# Altium PCB PFC_Stage.PcbDoc (part 4 of 5)
Units mil, origin at the board's own origin, x right, y up, seen from the top; angles counter-clockwise.
Board outline 14960.63 x 6299.21 mil, 2 copper layers (Top Layer, Bottom Layer), stack 64.567 mil thick; 586 components, 249 nets, 1375 pads, 1157 vias.
Unrouted connection lines stored in the file: 732.
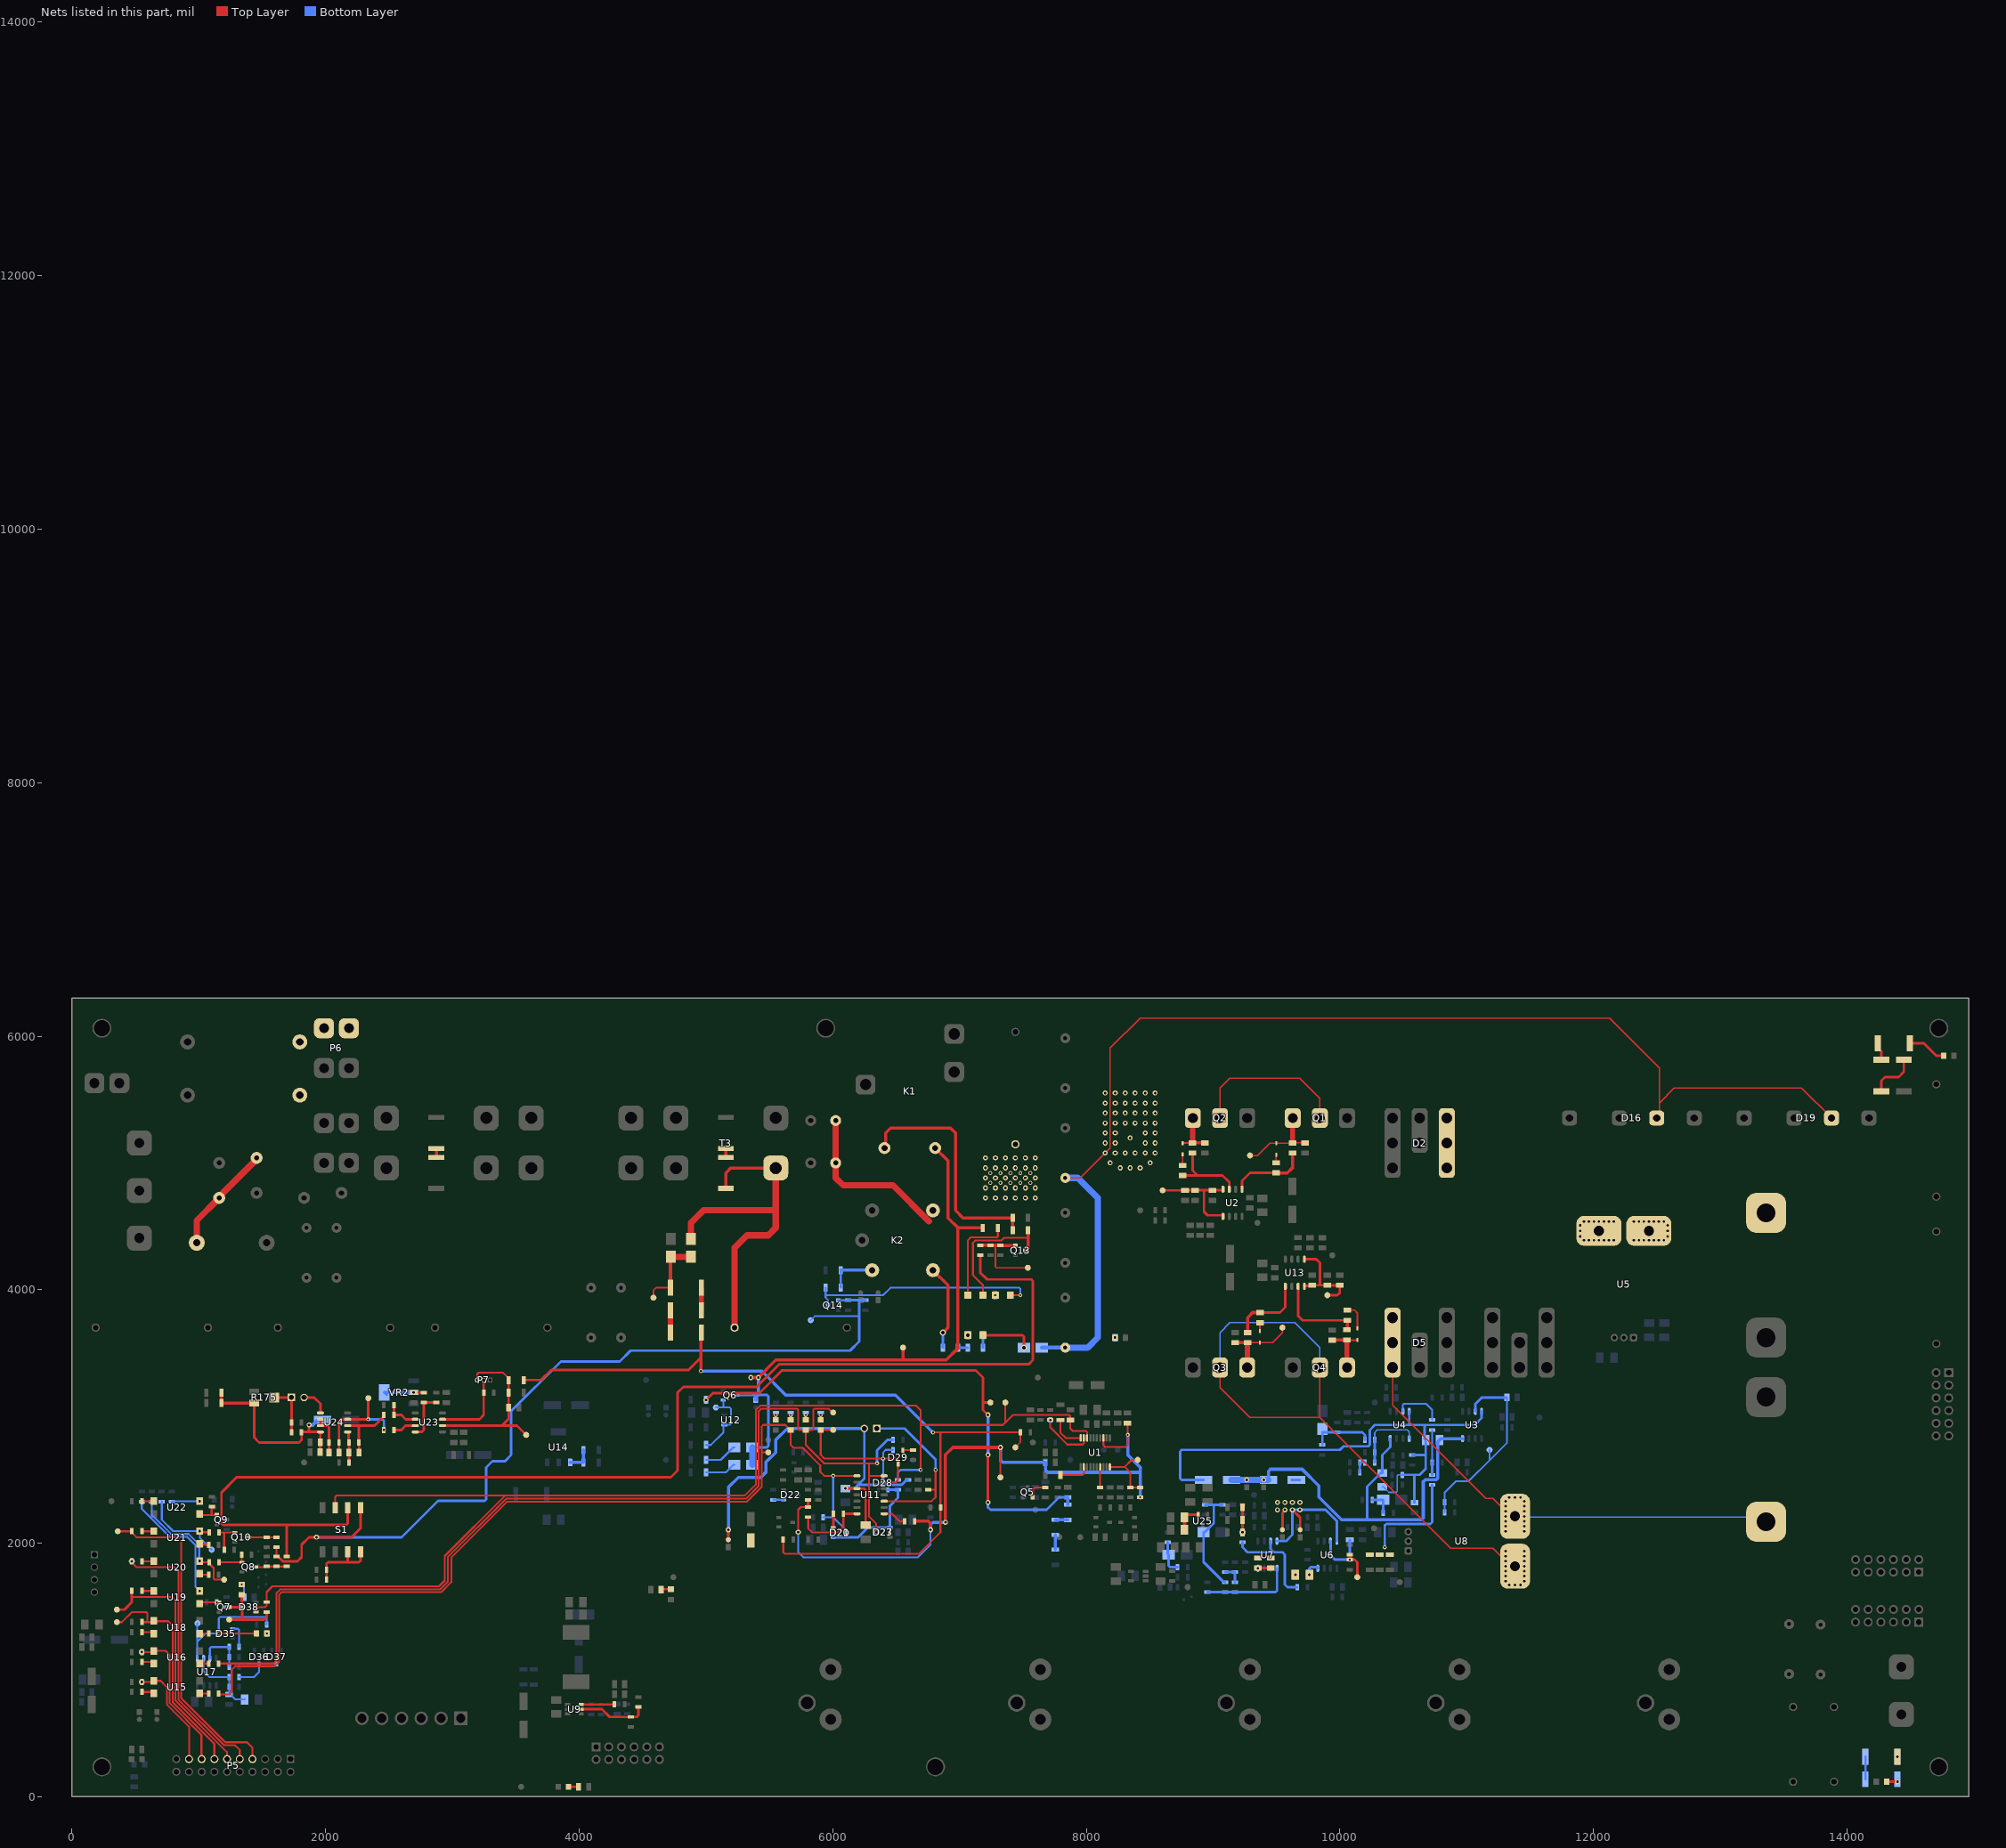
[diagram p4: the nets of this part, all layers, seen from the top]

## Via types
v1: diameter 31.5, hole 15.75, Top Layer to Bottom Layer, tented both sides, 804 vias
v2: diameter 39.37, hole 19.68, Top Layer to Bottom Layer, tented both sides, 282 vias
v3: diameter 50, hole 19.68, Top Layer to Bottom Layer, tented both sides, 68 vias
v4: diameter 50, hole 28, Top Layer to Bottom Layer, tented both sides, 3 vias

## Nets (pads, with @x,y where several pads share a name; then routed paths per layer and width w, separated by ;. In a path a pad name is that pad's centre, name@x,y a point inside that pad or via, vN(x,y) a via of type N, cw(c..) or ccw(c..) an arc to the next point about the centre after c; other vN are vias at no path point) (continued)
NetC103_2: C103.2 C104.1 R194.2 R196.1 U17.2 | length 598.5
  Bottom Layer w15: U17.2@1037.99,1091.54 1037.99,989.57 1082.68,944.88 R194.2@1240.16,944.88 R196.1@1240.16,866.14 C103.2@1240.16,807.72 1250.16,807.72 1290.16,767.72 C104.1@1362.32,767.72
NetC108_1: C108.1 R239.1 VR2.2 | length 339.9
  Top Layer w20: v2(2693.9,3188.98) 2696.22,3188.98 C108.1@2696.85,3189.61 2697.17,3189.29 2775.28,3189.29 R239.1@2775.59,3188.98
  Bottom Layer w20: VR2.2@2463.58,3188.98 VR2.2@2482.95,3169.61
  Bottom Layer w25: VR2.2@2463.58,3188.98 v2(2693.9,3188.98)
NetC110_1: C110.1 R244.1 R248.2 U24.2 | length 539.1
  Top Layer w20: U24.2@2174.21,2927.76 2263.78,2927.76 ; C110.1@2264.41,2716.54 2264.09,2716.85 2264.09,2794.96 R244.1@2263.78,2795.28 2263.78,2927.76 ; R248.2@2460.63,3011.81 2460.63,3000.98 2456.85,2997.2 2387.4,2927.76 2263.78,2927.76
NetC110_2: C110.2 R244.2 R247.1 U24.1 | length 248.1
  Top Layer w20: U24.1@2174.21,2877.76 2179.59,2877.76 2181.26,2876.08 2181.26,2799.06 R244.2@2185.04,2795.28 2184.72,2794.96 2184.72,2716.85 C110.2@2184.41,2716.54 2184.72,2716.22 2184.72,2638.11 R247.1@2185.04,2637.8
NetC113_1: C113.1 HV_SENSE_VIN.1 P7.3 R243.1 R245.2 U23.2 | length 1405.2
  Top Layer w15: P7.3@3198.03,3287.4 3198.03,3337.67 3206.82,3346.46 3399.61,3346.46 3434.67,3311.4 3434.67,3296.63 R243.1@3443.9,3287.4
  Top Layer w20: U23.2@2922.24,2927.76 3391.14,2927.76 ; C113.1@3443.9,3060.87 3443.9,2980.51 3391.14,2927.76 ; C113.1@3443.9,3070.87 R245.2@3443.9,3188.98 R243.1@3443.9,3287.4 ; C113.1@3444.25,3060.87 C113.1@3444.25,3070.87 ; HV_SENSE_VIN.1@3582.68,2854.33 3515.06,2921.95 3509.25,2927.76 3391.14,2927.76
NetC114_1: C114.1 COMP_ADD.1 R246.2 R252.1 U24.3 | length 845
  Top Layer w20: C114.1@2106.93,2716.54 2106.61,2716.85 2106.61,2794.96 R252.1@2106.3,2795.28 2106.3,2952.76 2130.61,2977.06 2173.52,2977.06 U24.3@2174.21,2977.76 v1(2337.2,2977.76) 2337.2,3125.03 2337.31,3125.13 COMP_ADD.1@2337.31,3144.39
  Bottom Layer w20: v1(2337.2,2977.76) 2448.91,2977.76 2460.63,2966.04 v1(2460.63,2893.7)
NetC114_2: C114.2 R252.2 U24.6 U24.7 | length 322.5
  Top Layer w20: U24.6@1959.65,2977.76 U24.7@1959.65,2927.76 2015.84,2927.76 2027.56,2916.04 R252.2@2027.56,2795.28 2027.24,2794.96 2027.24,2716.85 C114.2@2026.93,2716.54
NetCntrl_SD_2: Cntrl_SD.2 R153.2 | length 108.3
  Bottom Layer w15: v1(1338.58,1675.2) 1338.58,1673.28 1357.64,1654.22 R153.2@1357.64,1574.8
NetD2_3: D2.3 L1.2 U5.4 | length 253.1
  Bottom Layer w10: U5.4@12007.87,4385.83 U5.4@12007.87,4527.56 ; L1.2@13307.09,4685.04 L1.2@13385.83,4606.3
  other v3: 11925.59,4389.76 11964.96,4389.76 12004.33,4389.76 12043.7,4389.76 12083.07,4389.76 12122.44,4389.76 12161.81,4389.76 11896.06,4419.29 11896.06,4463.58 11896.06,4507.87 11925.59,4537.4 11964.96,4537.4 12004.33,4537.4 12043.7,4537.4 12083.07,4537.4 12122.44,4537.4 12161.81,4537.4
NetD3_1: D3.1 GA.1 Q1.1 R3.2 R6.2 | length 671.3
  Top Layer w10: GA.1@9291.34,5059.06 9350.39,5059.06 9447.83,5156.49 D3.1@9498.99,5156.49 9624.36,5156.49 R3.2@9625.98,5158.11 R6.2@9724.41,5158.11
  Top Layer w25: R3.2@9625.98,5158.11 R3.2@9627.17,5159.29 ; Q1.1@9627.17,5353.15 Q1.1@9628.35,5354.33
  Top Layer w40: R3.2@9627.17,5159.29 Q1.1@9627.17,5353.15
NetD3_2: D3.2 R1.2 | length 64.7
  Top Layer w10: R1.2@9497.9,5001.65 9498.99,5002.74 D3.2@9498.99,5065.94
NetD4_1: D4.1 Q2.1 R4.2 R5.2 | length 366.6
  Top Layer w12: D4.1@8760.49,5157.31 8837.79,5157.31 R4.2@8838.58,5158.11
  Top Layer w25: R4.2@8838.58,5158.11 R5.2@8937.01,5158.11 ; Q2.1@8838.58,5351.97 Q2.1@8840.94,5354.33
  Top Layer w40: R4.2@8838.58,5165.61 Q2.1@8838.58,5351.97
NetD4_2: D4.2 R2.2 | length 86.1
  Top Layer w12: R2.2@8759.84,4980.94 8760.49,4981.59 D4.2@8760.49,5066.76
NetD5_3: D5.3 L2.2 U8.4 | length 3832.9
  Top Layer w10: D5.3@10415.75,3385.83 10415.75,3088.19 11150.28,2353.66 11205.97,2353.66 11314.96,2244.67 U8.4@11314.96,2240.55
  Bottom Layer w10: D5.3@10415.75,3582.68 D5.3@10415.75,3779.53 ; U8.4@11314.96,2240.55 11350.79,2204.72 11444.88,2204.72 L2.2@13385.83,2204.72
  other v3: 11307.09,2094.49 11454.72,2094.49 11307.09,2133.86 11454.72,2133.86 11307.09,2173.23 11454.72,2173.23 11307.09,2212.6 11454.72,2212.6 11307.09,2251.97 11454.72,2251.97 11307.09,2291.34 11454.72,2291.34 11307.09,2330.71 11454.72,2330.71 11336.61,2360.24 11380.91,2360.24 11425.2,2360.24
NetD6_1: D6.1 GB.1 Q3.1 R12.2 R14.2 | length 643.5
  Top Layer w10: D6.1@9370.05,3583.15 9468.98,3583.15 9547.24,3661.42 GB.1@9547.24,3700.79
  Top Layer w12: R12.2@9269.29,3582.05 9270.39,3583.15 D6.1@9370.05,3583.15
  Top Layer w25: R14.2@9173.23,3582.05 9269.29,3582.05 R12.2@9270.47,3580.87 ; Q3.1@9269.29,3385.83 Q3.1@9270.47,3387.01
  Top Layer w40: Q3.1@9270.47,3387.01 R12.2@9270.47,3580.87
NetD6_2: D6.2 R10.2 | length 65.8
  Top Layer w12: D6.2@9370.05,3673.7 R10.2@9370.05,3739.5
NetD7_1: D7.1 Q4.1 R13.2 R15.2 | length 408.9
  Top Layer w12: R13.2@10057.13,3603.7 10058.08,3602.76 10137.85,3602.76 D7.1@10138.25,3603.16
  Top Layer w25: R15.2@9940.94,3601.73 9941.93,3602.72 10056.15,3602.72 R13.2@10057.13,3603.7
  Top Layer w40: Q4.1@10056.69,3385.83 R13.2@10056.69,3596.1
NetD7_2: D7.2 R11.2 | length 219
  Top Layer w12: R11.2@10059.06,3839.21 10117.48,3839.21 10137.8,3818.9 D7.2@10137.8,3687.01
NetD12_1: D12.1 R47.2 R56.2 | length 188.4
  Bottom Layer w20: R56.2@10255.91,2342.52 D12.1@10342.52,2342.52 10342.6,2342.44 R47.2@10342.6,2240.79
NetD13_1: D13.1 R48.2 R51.2 R55.2 | length 480.6
  Bottom Layer w20: R55.2@9862.2,2775.59 9862.2,2874.02 R48.2@9980.32,2874.02 10177.17,2874.02 10196.85,2854.33 R51.2@10196.85,2814.96
NetD14_1: D14.1 R74.2 R83.2 | length 264.1
  Bottom Layer w20: R83.2@8641.73,2007.87 8641.73,1917.32 D14.1@8649.61,1909.45 8649.61,1822.74 8661.32,1811.02 R74.2@8720.47,1811.02
NetD15_1: D15.1 R75.2 R78.2 R82.2 | length 863.1
  Bottom Layer w20: R82.2@8937.01,2303.15 9005.91,2303.15 ; R75.2@9074.8,2303.15 9005.91,2303.15 ; R78.2@9094.49,1692.91 9090.71,1696.69 9079.88,1696.69 8925.2,1851.38 D15.1@8925.2,2086.61 8934.06,2086.61 9005.91,2158.46 9005.91,2303.15
NetD20_1: D20.1 R128.1 | length 110.1
  Top Layer w20: D20.1@6003.94,2122.05 6004.09,2122.05 6005.9,2123.86 R128.1@6005.9,2231.28
NetD21_1: D21.1 D27.1 D28.1 R161.2 | length 883.8
  Bottom Layer w20: D21.1@6003.94,2047.24 6200.79,2047.24 6277.56,2124.02 D27.1@6451.77,2124.02 6451.77,2294.16 6515.75,2358.14 R161.2@6515.75,2421.26 6515.62,2421.13 6435.58,2421.13 D28.1@6435.45,2421.01
NetD22_1: D22.1 R134.2 | length 84.5
  Bottom Layer w15: R134.2@5531.5,2342.52 5532.48,2343.5 5614.17,2343.5 D22.1@5615.16,2344.49
NetD28_3: D28.3 D29.3 OTP.1 R148.2 THM_TP.1 U11.13 | length 1468.1
  Top Layer w15: THM_TP.1@6003.94,2893.7 6002.95,2892.72 5906.5,2892.72 OTP.1@5905.51,2891.73 5905.51,2696.85 5935.04,2667.32 v1(6397.64,2667.32) 6504.03,2667.32 6515.07,2656.28 D29.3@6515.07,2623.71 ; U11.13@6406.5,2481.89 6497.64,2481.89 6515.75,2500 D29.3@6515.75,2623.03
  Top Layer w20: D29.3@6515.07,2623.71 D29.3@6515.75,2623.03
  Bottom Layer w15: D28.3@6398.05,2529.28 6397.84,2529.48 6397.84,2657.28 6397.64,2657.48 v1(6397.64,2667.32) 6397.64,2716.54 6417.32,2736.22 R148.2@6476.38,2736.22
NetD29_1: D29.1 R150.1 | length 82.7
  Top Layer w15: D29.1@6553.15,2731.3 6555.61,2733.76 6631.4,2733.76 R150.1@6633.86,2736.22
NetD30_2: "System SD.1" D30.2 | length 414.4
  Top Layer w20: 7185.04,3641.73 7496.16,3641.73 7507.87,3630.02 v4(7507.87,3543.31)
NetD31_2: D31.2 R159.2 | length 247.9
  Bottom Layer w15: R159.2@5000.98,2559.06 5156.5,2559.06 5215.55,2618.11 D31.2@5224.41,2618.11
NetD32_1: D32.1 R160.1 | length 264.2
  Bottom Layer w15: R160.1@5000.98,2657.48 5117.13,2657.48 5215.55,2755.91 D32.1@5224.41,2755.91
NetD35_1: D35.1 R189.1 | length 190.4
  Bottom Layer w15: D35.1@1267.07,1324.78 1310.11,1324.78 1318.9,1315.99 R189.1@1318.9,1181.1
NetD36_3: D36.3 D37.3 R194.1 | length 375.6
  Bottom Layer w15: R194.1@1318.9,944.88 1437.01,944.88 1476.38,984.25 D36.3@1476.38,1048.23 D37.3@1614.17,1048.23
NetD39_1: D39.1 R107.1 R108.1 | length 865
  Top Layer w50: D39.1@984.25,4370.08 984.25,4547.24 R107.1@1161.42,4724.41 1161.42,4734.25 1456.69,5029.53 R108.1@1456.69,5039.37
NetENA_1: ENA.1 R162.1 R168.1 R169.1 U2.1 U2.8 | length 831.5
  Top Layer w20: ENA.1@8602.36,4783.46 8602.68,4783.78 8779.21,4783.78 R162.1@8779.53,4784.09 R168.1@8858.27,4784.09 8928.2,4784.09 ; U2.8@9076.87,4784.09 R169.1@8996.06,4784.09 8928.2,4784.09 ; U2.1@9078.54,4577.76 9078.54,4584.94 9076.87,4586.61 8956.69,4586.61 8928.2,4615.11 8928.2,4784.09 ; U2.8@9078.54,4774.61 U2.8@9078.54,4792.32
NetENB_1: ENB.1 R165.1 R170.1 R171.1 U13.1 U13.8 | length 761.3
  Top Layer w20: U13.8@9720.67,4026.57 9720.67,4029.33 9722.34,4031 9779.04,4031 R171.1@9783.46,4035.43 ; U13.1@9720.67,4241.14 9813.98,4241.14 9822.8,4232.32 9842.52,4212.6 9842.52,4035.43 ; R171.1@9783.46,4034.8 R171.1@9783.46,4035.43 ; ENB.1@9901.57,3956.69 9980.31,3956.69 10000,3976.38 R165.1@10000,4034.8 R170.1@9901.57,4034.8 ; R170.1@9901.57,4034.8 9900.94,4035.43 9842.52,4035.43 ; R171.1@9783.46,4035.43 9842.52,4035.43
NetIMO_2: IMO.2 R145.2 | length 37.4
  Top Layer w10: IMO.2@5551.18,2974.41 v1(5551.18,3011.81)
NetK1_4: K1.4 R210.2 R213.2 | length 1890.8
  Top Layer w25: K1.4@6408.66,5117.72 6417.32,5126.38 6417.32,5236.22 6456.69,5275.59 6929.13,5275.59 6968.5,5236.22 6968.5,4625.98 7027.56,4566.93 R210.2@7420.28,4566.93 R213.2@7420.28,4468.5
NetK2_3: K2.3 RT1.2 RT2.2 | length 1329.4
  Top Layer w50: RT1.2@6023.62,5334.65 RT2.2@6023.62,5000 6023.62,4881.89 6082.68,4822.83 6476.38,4822.83 6758.83,4540.38
NetK2_4: K2.4 R217.1 R220.2 | length 384.8
  Bottom Layer w15: R217.1@6063.98,4015.75 R220.2@6063.98,4153.54
  Bottom Layer w25: R220.2@6063.98,4153.54 K2.4@6311.02,4153.54
NetLED_5V_2: LED_5V.2 R152.2 | length 79.7
  Top Layer w15: R152.2@4646.3,1633.86 4650.24,1637.8 LED_5V.2@4724.41,1637.8
NetLED_15V_2: LED_15V.2 R137.2 | length 78.1
  Top Layer w20: LED_15V.2@3917.32,78.74 R137.2@3995.43,78.74
NetLED_400V_2: LED_400V.2 R118.1 | length 106.6
  Top Layer w20: LED_400V.2@14312.99,118.11 v2(14399.12,118.11)
  Bottom Layer w10: R118.1@14397.15,137.8 14399.12,135.83 v2(14399.12,118.11)
NetLED_Drv_2: LED_Drv.2 R181.2
  other v2: 8226.38,3622.05
NetLED_HV_RC_2: LED_HV_RC.2 R121.1 | length 307
  Top Layer w20: R121.1@14495.58,5944.88 14606.3,5944.88 14704.72,5846.46 LED_HV_RC.2@14761.81,5846.46
NetOC_SD_2: OC_SD.2 R197.2
  other v1: 1537.4,1287.48
NetOPT_REL2_1: OPT_REL2.1 R230.1 R235.1 U21.4 | length 744.5
  Top Layer w15: v2(1007.87,2095.67) 1016.93,2086.61 R235.1@1082.68,2086.61
  Bottom Layer w15: R230.1@708.66,2328.74 708.66,2185.04 798.03,2095.67 v2(1007.87,2095.67) 1007.87,2043.31 OPT_REL2.1@1102.36,1948.82
NetOPTO_REL1_1: OPTO_REL1.1 R201.1 R224.1 U20.4 | length 1016
  Top Layer w15: v2(1007.87,1859.45) 1016.93,1850.39 R224.1@1082.68,1850.39 1082.68,1839.57 1118,1804.24 1118,1720.78 1126.79,1711.99 1200.18,1711.99 OPTO_REL1.1@1200.79,1712.6
  Bottom Layer w15: R201.1@629.92,2328.74 629.92,2224.41 781.54,2072.8 919.33,2072.8 1003.94,1988.19 1003.94,1863.39 v2(1007.87,1859.45)
NetOTP_2: OTP.2 R154.2 | length 37.4
  Top Layer w10: OTP.2@5905.51,2974.41 v1(5905.51,3011.81)
NetOVP_2: OVP.2 R133.2 | length 39.3
  Top Layer w10: OVP.2@5669.29,2974.41 5671.61,2976.73 5669.29,2979.05 v1(5669.29,3011.81)
NetP6_1: P6.1 XF1.2 XF2.2
NetP7_2: P7.2 R249.1 U23.3 | length 615.5
  Top Layer w20: U23.3@2922.24,2977.76 3213.98,2977.76 3248.03,3011.81 R249.1@3248.03,3188.98 P7.2@3248.03,3287.4
NetP8_1: P8.1 R175.2 R253.2 R255.1 | length 412.5
  Top Layer w20: R175.2@1594.49,3149.61 P8.1@1730.71,3149.61 1731.5,3148.82 1731.5,2953.54 R255.1@1732.28,2952.76 R253.2@1732.28,2874.02
NetP8_2: P8.2 U24.5 | length 221.4
  Top Layer w20: P8.2@1830.71,3149.61 1909.45,3149.61 1959.65,3099.41 U24.5@1959.65,3027.76
NetP10_1: P10.1 R151.2 U11.10 | length 1338.1
  Top Layer w15: U11.10@6406.5,2331.89 6780.71,2331.89 6811.02,2362.2 6811.02,2421.26 ; R151.2@6751.97,2421.26 6811.02,2421.26 ; v1(6811.02,2578.74) 6811.02,2421.26
  Bottom Layer w20: P10.1@6349.21,2905.51 6566.58,2905.51 6811.02,2661.07 v1(6811.02,2578.74)
NetPKLMT_1: PKLMT.1 R32.2 R41.1 U1.10 | length 500.4
  Top Layer w15: U1.10@8186.02,2602.36 8303.15,2602.36 ; PKLMT.1@8405.51,2657.48 8358.27,2657.48 8303.15,2602.36 ; R32.2@8425.2,2440.94 R41.1@8346.46,2440.94 8346.46,2559.06 8303.15,2602.36
NetQ1_2: Q1.2 Q2.2 U5.5 | length 1278.9
  Top Layer w10: Q2.2@9055.12,5354.33 9055.12,5590.55 9094.49,5629.92 9133.86,5669.29 9685.04,5669.29 9842.52,5511.81 Q1.2@9842.52,5354.33
  other v3: 12319.29,4389.76 12358.66,4389.76 12398.03,4389.76 12437.4,4389.76 12476.77,4389.76 12516.14,4389.76 12555.51,4389.76 12585.04,4419.29 12585.04,4463.58 12585.04,4507.87 12319.29,4537.4 12358.66,4537.4 12398.03,4537.4 12437.4,4537.4 12476.77,4537.4 12516.14,4537.4 12555.51,4537.4
NetQ3_2: Q3.2 Q4.2 U8.5 | length 4720.3
  Top Layer w10: Q3.2@9055.12,3385.83 9055.12,3228.35 9291.34,2992.13 9842.52,2992.13 ; Q4.2@9842.52,3385.83 9842.52,2992.13 ; U8.5@11314.96,1846.85 11314.96,1850.97 11205.97,1959.96 10874.68,1959.96 9842.52,2992.13
  Bottom Layer w10: Q3.2@9055.12,3385.83 9055.12,3661.42 9133.86,3740.16 9645.67,3740.16 9842.52,3543.31 Q4.2@9842.52,3385.83
  other v3: 11336.61,1671.26 11380.91,1671.26 11425.2,1671.26 11307.09,1700.79 11454.72,1700.79 11307.09,1740.16 11454.72,1740.16 11307.09,1779.53 11454.72,1779.53 11307.09,1818.9 11454.72,1818.9 11307.09,1858.27 11454.72,1858.27 11307.09,1897.64 11454.72,1897.64 11307.09,1937.01 11454.72,1937.01
NetQ5_2: Q5.2 R25.2 | length 166.4
  Top Layer w15: Q5.2@7576.77,2362.2 7580.63,2366.07 7580.63,2423.15 7598.43,2440.94 R25.2@7677.17,2440.94
NetQ6_1: Q6.1 R156.1 RDG.1 U12.1 | length 600.9
  Bottom Layer w15: R156.1@5000.98,2775.59 5039.37,2775.59 5137.8,2874.02 5137.8,2929.74 5143.09,2935.04 5188.06,2935.04 5196.85,2943.83 5196.85,3062.08 5188.06,3070.87 5146.58,3070.87 ; RDG.1@5078.74,3070.87 5146.58,3070.87 ; Q6.1@5137.8,3129.92 5137.8,3079.65 5146.58,3070.87
NetQ7_1: Q7.1 R199.2 U19.3 | length 174
  Top Layer w15: U19.3@1007.87,1523.23 999.67,1531.43 1001.71,1533.46 v1(1141.73,1533.46) Q7.1@1161.24,1533.46
NetQ8_1: Q8.1 R198.1 R224.2 | length 238.6
  Top Layer w15: R224.2@1161.42,1850.39 1161.98,1849.83 Q8.1@1339.67,1849.83 1339.13,1850.37 1339.13,1908.9 R198.1@1338.58,1909.45
NetQ8_3: Q8.3 R225.1 R226.1 R227.1 | length 246.8
  Top Layer w15: Q8.3@1447.94,1812.43 1530.93,1812.43 R227.1@1535.43,1816.93 R226.1@1614.17,1816.93 R225.1@1692.91,1816.93
NetQ9_1: Q9.1 R214.2 U22.3 | length 201.9
  Top Layer w15: U22.3@1007.87,2231.89 1016.59,2223.17 1100.75,2223.17 ; R214.2@1102.36,2287.37 1102.36,2224.78 1100.75,2223.17 ; Q9.1@1141.33,2223.17 1100.75,2223.17
NetQ10_1: Q10.1 R215.1 R235.2 | length 260.1
  Top Layer w15: R235.2@1161.42,2086.61 1163.39,2084.65 1201.83,2084.65 ; R215.1@1200.79,1948.82 1200.79,2083.61 1201.83,2084.65 ; Q10.1@1284.45,2084.65 1201.83,2084.65
NetQ10_3: Q10.3 R236.1 R237.1 | length 221.5
  Top Layer w15: Q10.3@1392.72,2047.24 R237.1@1535.43,2047.24 R236.1@1614.17,2047.24
NetQ13_1: Q13.1 R211.1 R212.2 R221.2 REL_SDFET.1 | length 705.4
  Top Layer w12: 7283.46,4350.39 7283.46,4180.26 7290.49,4173.23 REL_SDFET.1@7539.37,4173.23
  Top Layer w25: R221.2@7165.35,4350.39 R211.1@7244.09,4350.39 7283.46,4350.39 R212.2@7322.83,4350.39 7323.82,4349.41 7439.96,4349.41 Q13.1@7440.94,4348.43
NetQ13_3: Q13.3 R213.1 RELAY_1.1 | length 1083.2
  Top Layer w15: RELAY_1.1@7185.04,3937.01 7185.04,4035.43 7106.3,4114.17 7106.3,4370.08 7125.98,4389.76 7332.63,4389.76 7352.32,4409.45 7540.35,4409.45 ; R213.1@7540.35,4453.74 R213.1@7540.35,4468.5
  Top Layer w25: Q13.3@7519.69,4311.02 7521.65,4311.02 7524.9,4314.27 7524.9,4316.24 7540.35,4331.69 7540.35,4409.45 R213.1@7540.35,4453.74
NetQ14_3: Q14.3 R217.2 RELAY_2.1 | length 1839.7
  Top Layer w15: RELAY_2.1@7401.57,3956.69 v1(7480.32,3956.69)
  Bottom Layer w15: R217.2@5943.9,4015.75 5943.9,3957.19 ; Q14.3@5964.57,3877.95 5964.57,3917.32 5943.9,3937.99 5943.9,3957.19 ; v1(7480.32,3956.69) 7480.32,4006.96 7471.53,4015.75 6456.69,4015.75 6398.13,3957.19 5943.9,3957.19
NetR7_1: R7.1 R8.2 | length 116.1
  Bottom Layer w25: R7.1@7755.91,1949.8 R8.2@7755.91,2065.94
NetR8_1: R8.1 R9.2 | length 99.2
  Bottom Layer w25: R8.1@7755.91,2186.02 7756.89,2185.04 7853.35,2185.04 R9.2@7854.33,2184.06
NetR33_2: R33.2 U1.7 | length 161.8
  Top Layer w15: U1.7@8109.25,2602.36 8109.25,2441.93 R33.2@8110.24,2440.94
NetR34_1: R34.1 U1.20 | length 276.8
  Top Layer w15: R34.1@7795.28,2972.44 7795.28,2874.02 7838.58,2830.71 U1.20@7955.71,2830.71
NetR40_1: R40.1 RT.1 U1.19 | length 426.4
  Top Layer w15: v1(7716.54,2972.44) 7716.54,2913.39 7851.14,2778.78 7972.51,2778.78 7981.3,2787.57 U1.19@7981.3,2830.71
NetR51_1: R51.1 R57.1 R62.1 U4.5 | length 574.8
  Bottom Layer w12: R51.1@10275.59,2814.96 10275.59,2874.02 10295.28,2893.7 10531.5,2893.7 10547.44,2877.76 U4.5@10547.44,2825.79
  Bottom Layer w20: R62.1@10275.59,2637.8 R57.1@10275.59,2716.54 R51.1@10275.59,2814.96
NetR59_1: R59.1 R60.2 R99.1 | length 354.3
  Bottom Layer w15: R59.1@10728.35,2637.8 R99.1@10728.35,2893.7
  Bottom Layer w20: R60.2@10728.35,2539.37 R59.1@10728.35,2637.8
NetR61_2: R61.2 R62.2 R63.2 | length 118.1
  Bottom Layer w20: R61.2@10157.48,2559.06 R63.2@10157.48,2637.8 R62.2@10196.85,2637.8
NetR78_1: R78.1 R84.1 R89.1 U7.5 | length 728.6
  Bottom Layer w20: R84.1@8956.69,1614.17 9025.59,1614.17 R78.1@9094.49,1614.17 R89.1@9173.23,1614.17 9492.42,1614.17 9504.13,1625.89 U7.5@9504.13,1802.17
NetR86_1: R86.1 R87.2 U7.3 | length 839.7
  Bottom Layer w20: R87.2@9232.28,2007.87 9232.28,1968.5 9271.65,1929.13 9480.22,1929.13 ; U7.3@9454.13,2016.73 9454.13,1955.22 9480.22,1929.13 ; R86.1@9665.35,1653.54 9586.61,1653.54 9566.93,1673.23 9566.93,1909.45 9547.24,1929.13 9480.22,1929.13
NetR88_2: R88.2 R89.2 R90.2 | length 157.5
  Bottom Layer w20: R88.2@9094.49,1771.65 R90.2@9173.23,1771.65 R89.2@9173.23,1692.91